# Altium PCB BACKPMAN3Rev1.0.PcbDoc (part 3 of 4)
Units mm, origin at the board's own origin, x right, y up, seen from the top; angles counter-clockwise.
Board outline 108 x 143 mm, 4 copper layers (Component Side, Layer 1, Layer 2, Bottom Layer), stack 1.637 mm thick; 343 components, 220 nets, 1089 pads, 837 vias.
Unrouted connection lines stored in the file: 98.
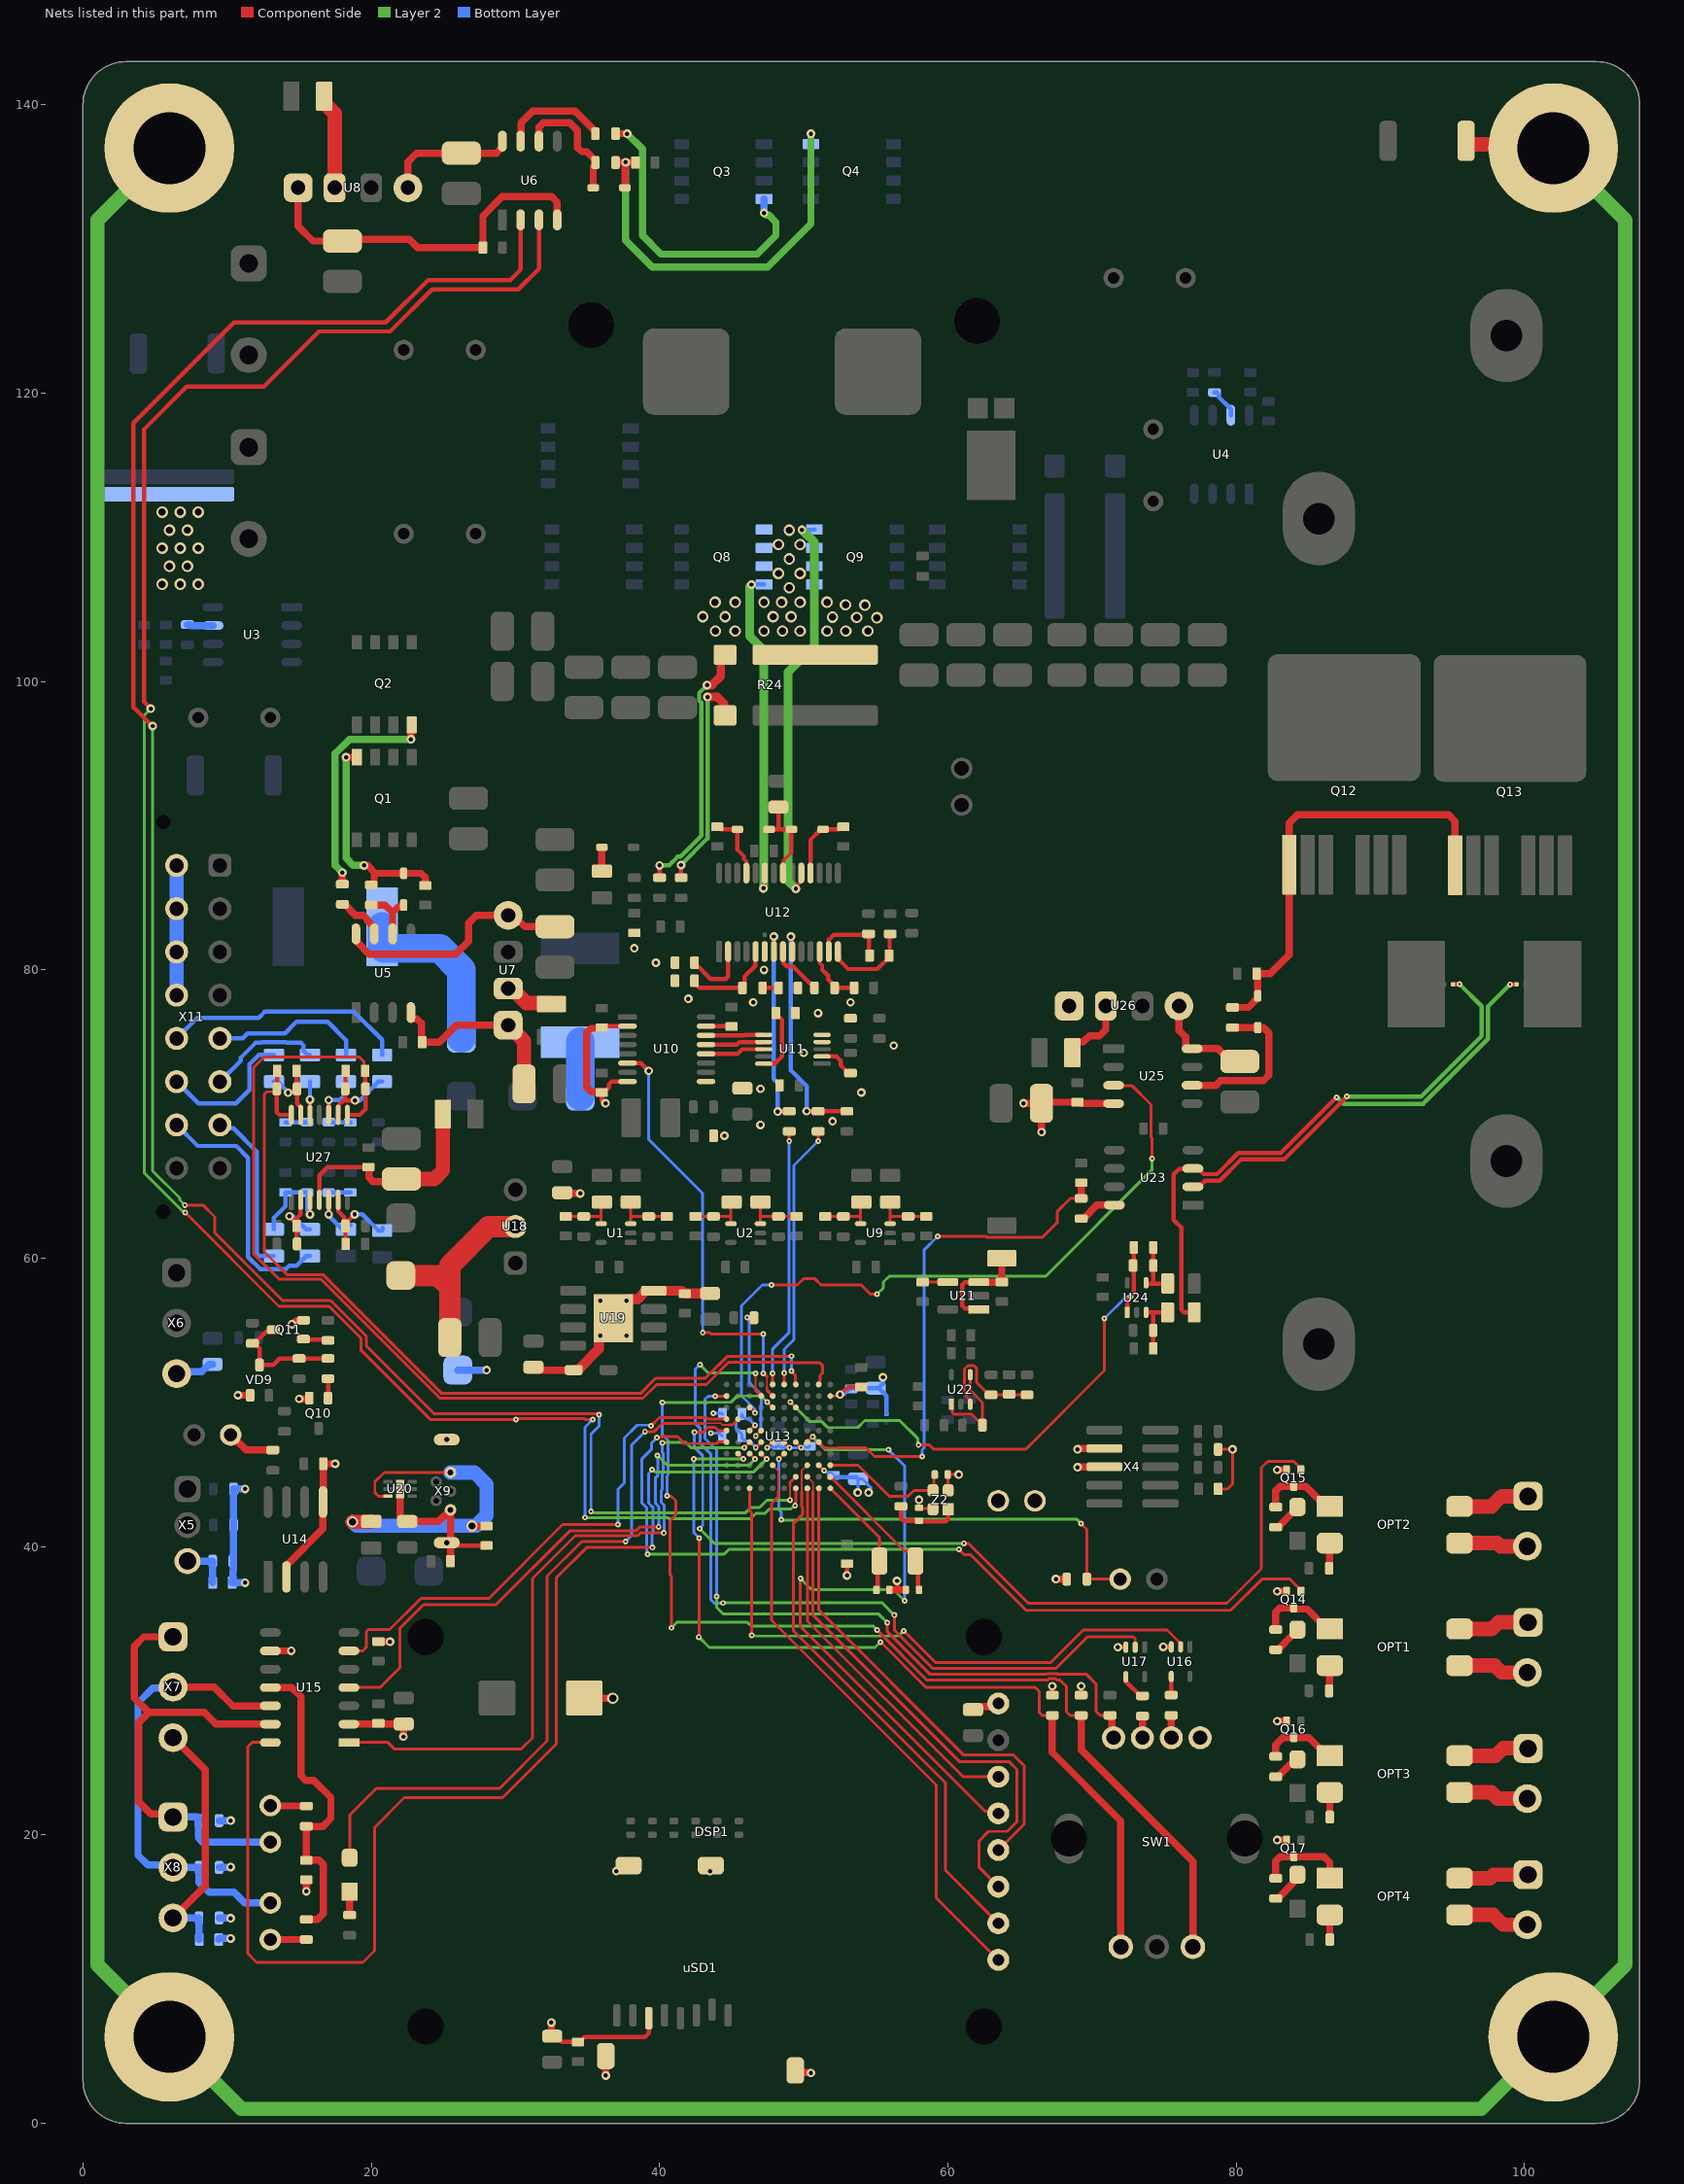
[diagram p5: the nets of this part, all layers, seen from the top]

## Via types
v1: diameter 0.8, hole 0.5, Component Side to Bottom Layer, tented both sides, 351 vias
v2: diameter 0.6, hole 0.3, Component Side to Bottom Layer, tented both sides, 188 vias
v3: diameter 0.35/0.4/0.4/0.35 (per signal layer), hole 0.15, Component Side to Bottom Layer, tented both sides, 156 vias
v4: diameter 0.61, hole 0.3, Component Side to Bottom Layer, 135 vias
v5: diameter 0.7, hole 0.3, Component Side to Bottom Layer, 4 vias
v6: diameter 0.65, hole 0.3, Component Side to Bottom Layer, tented both sides, 2 vias
v7: diameter 0.63, hole 0.3, Component Side to Bottom Layer, tented both sides, 1 vias

## Nets (pads, with @x,y where several pads share a name; then routed paths per layer and width w, separated by ;. In a path a pad name is that pad's centre, name@x,y a point inside that pad or via, vN(x,y) a via of type N, cw(c..) or ccw(c..) an arc to the next point about the centre after c; other vN are vias at no path point) (continued)
AIN2+: R78.1 X11.7 | length 11.6
  Bottom Layer w0.3: X11.7@9.5,69.25 9.733,69.017 10.434,69.017 12.06,67.391 12.06,60.346 12.256,60.15 R78.1@13.25,60.15
AIN2-: R77.1 X11.15 | length 17.8
  Bottom Layer w0.3: X11.15@6.5,69.25 7.957,67.793 10.643,67.793 11.46,66.975 11.46,60.097 12.307,59.25 14.07,59.25 14.304,59.483 14.833,59.483 15.5,60.15 R77.1@15.75,60.15
AIN3: C122.1 R88.2 U13.K2 U27.8 | length 72
  Component Side w0.2: C122.1@19.587,72.987 19.5,73.075 19.5,73.642 19.177,73.965 12.565,73.965 11.825,73.225 11.825,60.335 13.61,58.55 16.509,58.55 24.759,50.3 38.845,50.3 39.795,51.25 43.25,51.25 44.807,52.807 49.114,52.807 49.146,52.775 51.091,52.775 51.325,52.541 51.325,52.061 51.145,51.881 51.145,51.54 51.089,51.485 51.089,51.289 U13.K2@51.05,51.25
  Component Side w0.3: U27.8@18.35,69.95 19.2,69.95 19.6,70.35 R88.2@19.6,71.75 19.587,71.763 C122.1@19.587,72.987
AIN3+: R90.1 X11.5 | length 10.8
  Bottom Layer w0.3: X11.5@9.5,75.25 11.075,75.25 11.425,75.6 14.01,75.6 14.813,76.403 16.972,76.403 18.25,75.125 R90.1@18.25,74.1
AIN3-: R89.1 X11.13 | length 16.9
  Bottom Layer w0.3: X11.13@6.5,75.25 7.933,76.683 12.192,76.683 12.609,77.1 18.8,77.1 20.75,75.15 R89.1@20.75,74.1
AIN4: C124.1 R94.2 U13.K4 U27.14 | length 59.7
  Component Side w0.2: R94.2@13.3,71.55 12.751,71.55 12.575,71.374 12.575,60.449 14.149,58.875 16.644,58.875 24.894,50.625 38.687,50.625 39.737,51.675 43.175,51.675 44.713,53.213 v3(49.149,53.213) ; v3(49.161,52.194) 49.161,52.154 49.411,51.904 49.411,51.289 U13.K4@49.45,51.25
  Component Side w0.3: R94.2@13.3,71.55 R94.2@13.45,71.7 ; C124.1@13.475,73 13.463,72.988 13.463,71.763 R94.2@13.45,71.75 R94.2@13.45,71.7 ; U27.14@14.45,69.95 13.626,69.95 13.45,70.126 13.45,71.55 R94.2@13.45,71.7
  Bottom Layer w0.2: v3(49.149,53.213) 49.155,53.207 49.155,52.2 v3(49.161,52.194)
AIN4+: R98.1 X11.6 | length 8.1
  Bottom Layer w0.3: X11.6@9.5,72.25 10.96,73.71 10.96,73.927 11.973,74.94 12.369,74.94 12.43,75 14.07,75 14.131,74.94 15.118,74.94 15.294,74.764 15.294,74.4 15.594,74.1 R98.1@15.75,74.1
AIN4-: R95.1 X11.14 | length 9.8
  Bottom Layer w0.3: X11.14@6.5,72.25 8.011,70.739 10.614,70.739 11.56,71.685 11.56,73.46 12.2,74.1 R95.1@13.25,74.1
ASW_F: U6.3 U13.A4 | length 149.3
  Component Side w0.2: v3(7.097,63.17) 13.599,56.667 17.083,56.667 19.279,54.471 19.279,53.646 24.1,48.825 v3(30.05,48.825) ; v3@30.05,48.875 34.8,48.875 34.85,48.825 v3(35.375,48.825) ; v3(49.407,42.846) 49.435,42.875 49.435,43.106 49.45,43.121 U13.A4@49.45,44.05
  Component Side w0.3: v2(4.7,98.125) 4.25,98.575 4.25,117.509 7.214,120.472 12.573,120.472 16.383,124.282 21.307,124.282 24.225,127.2 30.2,127.2 31.635,128.635 U6.3@31.635,132.025
  Layer 2 w0.2: v2(4.7,98.125) 4.25,97.675 4.25,65.915 6.897,63.269 6.944,63.269 7.043,63.17 v3(7.097,63.17) ; v3(34.825,42.025) 34.842,42.008 40.583,42.008 40.636,41.954 46.323,41.954 46.685,42.316 47.32,42.316 47.625,42.621 49.128,42.621 49.353,42.846 v3(49.407,42.846)
  Bottom Layer w0.2: v3(34.825,42.025) 34.825,48.275 v3(35.375,48.825)
ASW_R: U6.2 U13.B4 | length 149.2
  Component Side w0.125: v3(49.047,43.231) 49.047,44.2 49.066,44.219 49.066,44.24
  Component Side w0.2: v3(7.073,63.694) 8.321,63.694 9.144,62.871 9.144,61.773 13.843,57.074 17.176,57.074 19.66,54.59 19.66,53.924 24.359,49.225 35.625,49.225 35.671,49.179 35.771,49.179 v3(35.8,49.15) ; 49.066,44.24 49.05,44.256 49.05,44.45 U13.B4@49.45,44.85
  Component Side w0.3: v2@4.812,96.913 3.5,98.225 3.5,117.927 10.473,124.9 21,124.9 23.95,127.85 29.65,127.85 30.365,128.565 U6.2@30.365,132.025
  Layer 2 w0.2: v2(4.835,96.915) 4.835,66.06 6.713,64.183 6.713,64.054 v3(7.073,63.694) ; v3(35.25,42.45) 35.304,42.45 35.421,42.333 45.934,42.333 46.324,42.723 46.939,42.723 47.445,43.228 49.045,43.228 v3(49.047,43.231)
  Bottom Layer w0.2: v3(35.25,42.45) 35.25,47.798 35.792,48.34 35.792,49.142 v3(35.8,49.15)
BG1: Q8.1 U12.23 | length 23.5
  Component Side w0.25: v2(47.21,85.666) 47.265,85.722 47.265,86.692 U12.23@47.298,86.725
  Layer 2 w0.6: v2(46.383,106.723) 46.25,106.59 46.25,103.175 47.219,102.206 47.219,85.676 v2(47.21,85.666)
  Bottom Layer w0.3: v2@46.39,106.73 Q8.1@47.25,106.73
BG2: Q9.1 U12.19 | length 28.5
  Component Side w0.25: v2(49.456,85.628) 49.523,85.695 49.523,85.85 49.838,86.164 U12.19@49.838,86.725
  Component Side w0.3: v2(49.456,85.628) v2@49.456,85.709
  Layer 2 w0.6: v2(49.456,85.628) 48.925,86.159 48.925,100.675 50.75,102.5 50.75,109.667 50.092,110.325 50.075,110.325 v2(49.875,110.525)
  Bottom Layer w0.3: v2(49.875,110.525) 49.882,110.532 50.742,110.532 Q9.1@50.752,110.542
CAN0_RX: U13.D8 U15.4 | length 40.6
  Component Side w0.2: U15.4@18.45,30.23 20.605,30.23 22,31.625 22,34.35 23.625,35.975 28.65,35.975 33.761,41.086 38.344,41.086 38.636,41.377 v3(39.933,41.377) ; U13.D8@46.25,46.45 v3(46.625,46.075)
  Layer 2 w0.2: v3@39.86,46.325 40.535,45.65 46.2,45.65 v3(46.625,46.075)
  Bottom Layer w0.2: v3(39.857,46.328) 39.875,46.31 39.875,45.175 39.875,44.93 39.7,44.755 39.7,43.029 39.955,42.773 39.955,41.399 v3(39.933,41.377)
CAN0_TX: U13.E8 U15.1 | length 47.5
  Component Side w0.2: U15.1@18.45,26.42 21.155,26.42 21.6,25.975 30.42,25.975 31.191,26.746 31.191,37.791 34.161,40.761 38.479,40.761 38.668,40.95 v3(40.3,40.95) ; v3(45.875,46.875) U13.E8@46.25,47.25
  Layer 2 w0.2: v3(40.2,47.2) 40.225,47.225 41.825,47.225 42.175,46.875 v3(45.875,46.875)
  Bottom Layer w0.2: v3(40.2,47.2) 40.2,46.541 40.257,46.484 40.257,45.098 40.2,45.041 40.2,43.973 40.125,43.898 40.125,43.063 40.28,42.908 40.28,42.898 40.333,42.846 40.333,41.211 40.329,41.207 40.329,40.979 v3(40.3,40.95)
CAN0H: E4.2 J3.2 U15.13 X7.1 X8.1 | length 34.4
  Component Side w0.5: X8.1@6.25,21.25 6.025,21.475 4.7,21.475 3.875,22.3 3.875,27.8 4.575,28.5 ; X7.1@6.25,33.75 4.225,33.75 3.575,33.1 3.575,29.5 4.575,28.5 ; U15.13@13,27.69 9.235,27.69 8.425,28.5 4.575,28.5
  Bottom Layer w0.5: X8.1@6.25,21.25 7.95,21.25 8.05,21.15 E4.2@8.05,21 8,20.95 8,19.793 8.293,19.5 J3.2@13,19.5
CAN0L: E5.2 J4.1 U15.12 X7.2 X8.2 | length 31.9
  Component Side w0.5: X7.2@6.25,30.25 9.1,30.25 10.39,28.96 U15.12@13,28.96
  Bottom Layer w0.5: X7.2@6.25,30.25 6.188,30.188 4.838,30.188 3.816,29.166 3.816,18.604 4.5,17.92 6.08,17.92 X8.2@6.25,17.75 E5.2@8.05,17.75 8.05,16.718 8.743,16.025 10.475,16.025 11.21,15.29 J4.1@13,15.29
CAN_EN: U13.G10 U15.6 | length 36.9
  Component Side w0.2: U15.6@18.45,32.77 19.42,32.77 19.65,33 19.65,34.1 19.8,34.25 21.28,34.25 23.43,36.4 28.15,36.4 33.279,41.529 v3(37.109,41.529) ; v3(39.421,48.387) 39.984,48.95 43.252,48.95 43.352,48.85 U13.G10@44.65,48.85
  Bottom Layer w0.2: v3(37.109,41.529) 37.109,43.967 37.567,44.425 37.567,47.542 38.453,48.428 39.274,48.428 39.286,48.416 39.392,48.416 v3(39.421,48.387)
CAN_STB: U13.D7 U15.14 | length 82.6
  Component Side w0.2: U15.14@13,26.42 11.745,26.42 11.425,26.1 11.425,11.8 12.05,11.175 19.425,11.175 20.225,11.975 20.225,20.525 22.291,22.591 29.119,22.591 32.842,26.314 32.842,37.842 34.94,39.94 39.498,39.94 v3(39.5,39.938) ; U13.D7@47.05,46.45 v3(47.425,46.075)
  Layer 2 w0.2: v3(39.475,45.347) 39.529,45.347 39.69,45.187 46.537,45.187 v3(47.425,46.075)
  Bottom Layer w0.2: v3(39.475,45.347) 39.475,45.311 39.243,45.079 39.243,43.026 39.533,42.736 39.533,40.895 39.483,40.845 39.483,39.955 v3(39.5,39.938)
CGND: B2.2 C44.2 C46.2 C48.2 C49.1 C51.1 C52.1 C53.1 C54.1 C56.1 C57.1 R30.1 R32.1 U10.9 U10.15 U11.4 U11.5 U12.6 U12.12 | length 7.2
  Component Side w0.25: U12.12@51.108,81.275 51.108,80.497 51.293,80.311 51.293,80.007 51.3,80
  Component Side w0.3: U10.15@43.225,76.1 43.235,76.09 44.985,76.09 C51.1@45,76.075 ; C57.1@45.459,71.8 C57.1@45.75,71.8 ; C48.2@48.175,71.8 C48.2@48.325,71.95 ; C52.1@49.45,79.025 49.6,78.875 C52.1@49.6,78.75 ; 51.3,80 51.7,79.6 51.7,79.35 52.15,78.9 R32.1@52.15,78.75 C46.2@53.5,78.75 C46.2@53.5,78.625 ; R30.1@53.25,76.65 R30.1@53.4,76.65
  other v2: 44.5,68.5 47,69.25 52,69.5 54,71.5 47,71.75 50,74.25 56.25,74.75 51,77 46.5,77.75 53.25,77.75 42,78 47.25,80 39.75,80.5 38.25,81.5
DCDC_MODE: R34.2 U13.K6 | length 18
  Component Side w0.2: U13.K6@47.85,51.25 v3(47.85,52.025) ; v3(49,68.125) R34.2@49,68.8
  Bottom Layer w0.2: v3(47.85,52.025) 47.85,53.717 49,54.867 v3(49,68.125)
DCDC_PGOOD: U10.6 U13.J6 | length 30.2
  Component Side w0.125: 47.45,51.044 47.45,51.8
  Component Side w0.2: v3(43.002,54.839) 43.495,54.839 43.577,54.756 47.194,54.756 v3(47.2,54.75) ; v3(47.2,52.025) 47.225,52.025 47.45,51.8 ; 47.45,51.044 47.45,50.85 U13.J6@47.85,50.45
  Component Side w0.3: U10.6@37.775,73.54 38.71,73.54 v2(39.25,73)
  Bottom Layer w0.2: v2(39.25,73) 39.25,68.243 42.982,64.511 42.982,56.254 43.002,56.233 v3@43.002,54.856 ; v3(47.2,52.025) v3(47.2,54.75)
Earth: H1.0 H2.0 H3.0 H4.0 VD16.2 | length 376.8
  Component Side w1: VD16.2@95.95,137.5 95.95,137.35 96.05,137.25 101.75,137.25 H2.0@102,137
  Layer 2 w1: H3.0@6,137 1,132 1,11 H4.0@6,6 11,1 97,1 H1.0@102,6 107,11 107,132 H2.0@102,137
EN_CHARGER: R35.2 U13.K5 | length 18.5
  Component Side w0.2: U13.K5@48.65,51.25 v3(48.65,52.042) ; v3(51,68.125) R35.2@51,68.8
  Bottom Layer w0.2: v3(48.65,52.042) 48.65,53.679 49.325,54.354 49.325,66.45 v3(51,68.125)
ENC_A: R59.1 SW1.A U13.D9 | length 62.4
  Component Side w0.2: v3(42.725,33.725) 42.738,33.738 42.738,40.588 v3(42.75,40.6) ; U13.D9@45.45,46.45 v3(45.825,46.075) ; v3(55.325,33.375) 55.35,33.375 58.474,30.251 66.049,30.251 66.35,29.95 66.35,28.5 66.55,28.3 R59.1@67.25,28.3
  Component Side w0.5: R59.1@67.25,28.3 67.25,25.725 72,20.975 SW1.A@72,12.25
  Layer 2 w0.2: v3(42.375,46.075) v3(45.825,46.075) ; v3(42.725,33.725) 43.45,33 54.95,33 v3(55.325,33.375)
  Bottom Layer w0.2: v3(42.375,46.075) 42.375,40.975 v3(42.75,40.6)
ENC_B: R60.1 SW1.B U13.H6 | length 76.2
  Component Side w0.2: v3(40.525,43.525) 40.554,43.496 40.814,43.496 41.13,43.18 41.13,42.197 40.741,41.808 40.741,38.022 40.825,37.938 v3(40.825,34.375) ; v3(47.475,50.025) U13.H6@47.85,49.65 ; v3(55.099,34.225) 55.099,34.2 58.565,30.734 66.917,30.734 67.033,30.85 67.467,30.85 67.583,30.734 67.791,30.734 68.225,30.3 68.225,28.55 68.475,28.3 R60.1@69.25,28.3
  Component Side w0.5: R60.1@69.25,28.3 69.25,25.9 77,18.15 SW1.B@77,12.25
  Layer 2 w0.2: v3(40.201,50) 43.365,50 43.378,50.013 44.958,50.013 45.395,50.45 47.05,50.45 v3(47.475,50.025) ; v3(40.825,34.375) 41.2,34.75 46.101,34.75 46.351,34.5 54.824,34.5 v3(55.099,34.225)
  Bottom Layer w0.2: v3(40.201,50) 40.201,47.765 40.6,47.366 40.6,44.981 40.525,44.906 v3(40.525,43.525)
ENC_SW: R61.1 SW1.4 U13.J10 | length 50
  Component Side w0.2: v3(43.867,50.438) 44.637,50.438 U13.J10@44.65,50.45 ; v3(55.804,34.722) 55.804,34.109 58.772,31.14 66.863,31.14 66.898,31.175 67.602,31.175 67.637,31.14 69.622,31.14 70.275,30.488 70.275,28.6 70.575,28.3 R61.1@71.25,28.3
  Component Side w0.5: R61.1@71.25,28.3 71.325,28.3 71.375,28.25 71.375,26.875 SW1.4@71.5,26.75
  Layer 2 w0.2: v3(43.967,36.551) 43.95,36.533 43.95,35.8 44.401,35.349 55.177,35.349 v3(55.804,34.722)
  Bottom Layer w0.2: v3(43.867,50.438) 43.854,50.425 43.352,50.425 43.15,50.223 43.15,47.503 43.967,46.685 v3(43.967,36.551)
EXTAL: C65.1 U13.C1 Z2.3 | length 9.3
  Component Side w0.2: U13.C1@51.85,45.65 53.775,45.65 55.925,43.5 57.25,43.5 57.65,43.9 Z2.3@58.975,43.9 59.036,43.961 59.036,44.939 C65.1@59.096,45
GND: B1.1 B3.2 C17.2 C18.2 C20.2 C21.2 C50.1 C55.1 C62.2 C63.2 C64.2 C65.2 C66.2 C67.2 C68.2 C69.2 C70.1 C71.1 C72.1 C73.1 C74.1 C75.1 C76.1 C77.1 C78.1 C82.2 C83.2 C84.2 C85.2 C86.1 C87.1 C88.1 C89.1 C90.1 C91.2 C92.2 C93.2 C94.1 C95.1 C96.2 C97.1 C98.2 C99.1 C114.2 C116.2 DSP1.1 E1.2 E2.2 E3.1 E4.1 E5.1 E6.1 pad.3@63.5,43.18 pad.3@66.04,43.18 Q10.2 Q11.2 Q14.2 Q15.2 Q16.2 Q17.2 R39.1 R52.2 R59.2 R60.2 SW1.1 U5.4 U6.4 U7.1 U8.1 U10.2 U10.8 U13.C2 U13.E4 U13.E5 U13.E6 U13.J1 U14.2 U14.5 U15.2 U15.9 U16.3 U17.3 U18.2 U19.4 U19.9 U20.7 U25.4 U26.1 uSD1.6 uSD1.9 uSD1.10 uSD1.11 uSD1.12 VD9.1 VD13.2 VD14.2 VD15.2 X4.3 X4.5 X6.3 X9.0 X9.5 X11.9 X11.10 X11.11 X11.12 Z2.2 Z2.4 | length 202.6
  Component Side w0.2: v3(47.475,46.875) U13.E6@47.85,47.25 ; U13.E5@48.65,47.25 v3(49.025,46.875) ; U13.E4@49.45,47.25 v3(49.825,46.875) ; U13.C2@51.05,45.65 v3(51.425,45.275) ; U13.J1@51.85,50.45 v2@52.375,50.45 ; v2(58,43.25) C66.2@58,42.702 58.051,42.651 58.924,42.651 Z2.4@58.975,42.6 ; Z2.2@60.025,43.9 60.012,43.913 60.012,44.987 C65.2@60,45 v2(60.75,45) ; C62.2@78.75,44 79.4,44 79.75,44.35 v2(79.75,46.75) R52.2@78.75,46.75
  Component Side w0.3: X9.0@25.499,40.275 25.269,40.275 X9.0@25.5,40.044 ; X9.0@25.499,40.506 25.268,40.275 X9.0@25.239,40.275 25.439,40.075 25.544,40.179 25.97,40.179 26.075,40.075 C93.2@28,40.075 ; C72.1@32.55,6.05 32.841,6.05 33.241,5.65 34.475,5.65 34.625,5.8 34.625,5.824 34.801,6 39,6 39.25,6.25 uSD1.6@39.25,7.3 ; C50.1@36,76 36.09,76.09 37.765,76.09 U10.2@37.775,76.1 ; v2(36.25,70.75) 36.176,70.75 36,70.926 C55.1@36,71.5 36.125,71.5 36.487,71.862 36.487,72.072 36.675,72.26 U10.8@37.775,72.26 ; uSD1.9@36.27,4.673 uSD1.9@36.27,5.039 ; v2(52.525,50.55) 52.548,50.55 53.067,51.069 53.994,51.069 C71.1@54,51.075 ; v2(53,38) C69.2@53,38.825 ; v2(56.475,37.625) 56.524,37.576 56.524,37 ; R59.2@67.25,29.7 v2(67.25,30.325) ; R60.2@69.25,29.7 v2(69.25,30.325) ; v2(71.8,33.025) U17.3@72.35,33.025 ; v2(74.95,33.05) U16.3@75.5,33.05
  Component Side w0.5: v2(10.75,50.5) VD9.1@11.6,50.5 ; U15.9@13,32.77 14.445,32.77 v2(14.45,32.775) ; U14.2@14.115,37.9 14.115,38.7 16.655,41.24 U14.5@16.655,43.1 16.665,43.11 16.665,45.74 C83.2@16.675,45.75 v2(17.5,45.75) ; v2(14.5,55.432) 14.527,55.432 14.745,55.65 15.25,55.65 Q11.2@15.3,55.7 ; U8.1@14.92,134.25 14.92,131.58 15.95,130.55 C21.2@18,130.55 18.125,130.675 22.65,130.675 23.225,130.1 27.7,130.1 C18.2@27.75,130.1 27.75,132.296 29.079,133.625 32.507,133.625 32.886,133.246 32.886,132.044 U6.4@32.905,132.025 ; v2(15,50.25) 15.65,50.25 Q10.2@15.7,50.3 ; v2(15.5,16.1) C87.1@15.5,16.9 ; U15.2@18.45,27.69 18.455,27.695 C90.1@22.245,27.695 ; C88.1@20.5,33.425 20.513,33.412 21.288,33.412 v2(21.3,33.4) ; U20.7@22,44 22,42 22.25,41.75 C91.2@22.5,41.75 24.673,41.75 25.473,42.55 X9.5@25.499,42.55 X9.0@25.499,40.506 ; v2(22.225,26.825) 22.225,27.675 C90.1@22.245,27.695 ; C90.1@22.25,27.7 C90.1@22.245,27.695 ; U5.4@22.75,77.05 22.75,76.652 22.796,76.606 23.169,76.606 23.485,76.289 23.485,75.031 C17.2@23.535,74.981 24.731,74.981 25.92,76.17 U7.1@29.5,76.17 ; C92.2@25.5,39 X9.0@25.5,40.044 ; C99.1@31.5,52.45 31.7,52.25 VD13.2@34.05,52.25 ; v2(32.5,7) 32.5,6.1 C72.1@32.55,6.05 ; C97.1@33.25,64.55 33.3,64.5 v2(34.5,64.5) ; C98.2@34.775,29.5 34.786,29.489 v1(36.754,29.489) ; C55.1@36,71.5 35.95,71.55 35.243,71.55 34.95,71.843 34.95,75.667 35.234,75.95 35.95,75.95 C50.1@36,76 ; v2(36.27,3.319) uSD1.9@36.27,4.673 ; uSD1.10@49.42,3.673 49.573,3.519 50.481,3.519 v2(50.5,3.5) ; C63.2@55.952,37 56.524,37 C64.2@57.096,37 ; C86.1@61.75,28.7 62,28.7 62.224,28.924 63.304,28.924 DSP1.1@63.5,29.12 ; v2(65.25,70.75) C116.2@66.5,70.75 ; v2(66.5,68.75) C116.2@66.5,70.75 ; v2(67.5,37.75) R39.1@68.25,37.75 ; v2(69,45.5) 69.04,45.54 X4.5@70.864,45.54 ; v2(69,46.75) 69.06,46.81 X4.3@70.864,46.81 ; U25.4@71.5,70.73 69.22,70.73 69.125,70.825 C114.2@69,70.825 66.575,70.825 C116.2@66.5,70.75 ; v2(82.85,19.65) Q17.2@83.5,19.65 ; v2(82.85,27.9) Q16.2@83.5,27.9 ; v2(82.85,36.9) Q14.2@83.5,36.9 ; v2(82.85,45.325) Q15.2@83.5,45.325
  Component Side w0.7: C99.1@31.25,52.45 C99.1@31.5,52.45 ; VD13.2@34.05,52.25 34.325,52.25 35.795,53.72 35.795,54.54 v5(35.9,54.645) ; U19.9@36.8,55.845 36.8,56.165 37.805,57.17 38.47,57.17 39.05,57.75 41.528,57.75 C95.1@41.683,57.596 ; C95.1@41.758,57.546 41.768,57.556 43.16,57.556 43.171,57.567 C94.1@43.51,57.567
  Component Side w1: VD15.2@21.7,59.15 VD15.2@22.05,58.8 ; U7.1@29.5,76.17 30.6,75.07 C20.2@30.6,72.1
  Component Side w1.5: VD15.2@22.05,58.8 24.65,58.8 25.45,58 ; C96.2@25.45,54.5 25.45,58 ; U18.2@30,62.21 29.981,62.191 28.141,62.191 25.45,59.5 25.45,58
  Bottom Layer w0.2: v3(43.55,47.873) 44.152,47.873 C68.2@44.35,47.675 ; v3(43.725,49.25) 44.325,49.25 C67.2@44.375,49.2 ; v3(47.475,46.875) 47.504,46.904 48.129,46.904 C76.1@48.25,47.025 48.371,46.904 48.996,46.904 v3(49.025,46.875) v3(49.825,46.875) 49.854,46.904 50.354,46.904 C78.1@50.425,46.975 ; v3(51.425,45.275) 51.466,45.275 51.591,45.15 51.875,45.15 C77.1@52.075,44.95 C77.1@52.2,44.825 ; C70.1@53.65,44.825 C70.1@53.775,44.7 ; v2(53.75,43.75) 53.75,44 53.775,44.025 C70.1@53.775,44.7 ; v2(54.5,43.75) 54.5,43.858 54.667,44.025 54.667,44.083 54.05,44.7 C70.1@53.775,44.7
  Bottom Layer w0.3: C77.1@52.2,44.825 C70.1@53.65,44.825 ; v2(52.525,50.55) 52.582,50.607 52.832,50.607 53.175,50.95 C75.1@53.3,50.95 53.325,50.975 54.975,50.975 C74.1@55,51 C74.1@55.206,51 ; v2(55.5,51.75) 55.5,51.294 C74.1@55.206,51 ; B3.2@55.75,49.2 55.75,50.459 55.209,51 C74.1@55.206,51
  Bottom Layer w0.5: X6.3@6.5,52 6.65,52.15 8.25,52.15 8.75,52.65 C82.2@9,52.65 ; C85.2@9.425,12.75 9.425,12.775 9.475,12.825 v2(10.25,12.825) ; E6.1@9.45,14.25 10.225,14.25 v2(10.25,14.225) ; E5.1@9.45,17.75 10.225,17.75 v2(10.25,17.775) ; E4.1@9.45,21 v2(10.25,21) ; v2(11.25,37.5) C84.2@10.35,37.5 10.35,37.625 10.4,37.675 10.4,38.338 10.45,38.388 E2.2@10.45,41.5 E1.2@10.45,44 v2(11.25,44) ; VD14.2@26,52.25 v2(28,52.25)
  Bottom Layer w1: X11.12@6.5,78.25 X11.11@6.5,81.25 X11.10@6.5,84.25 X11.9@6.5,87.25
  other v1: 5.5,106.75 6.75,106.75 8,106.75 6,108 7.25,108 5.5,109.25 6.75,109.25 8,109.25 6,110.5 7.25,110.5 5.5,111.75 6.75,111.75 8,111.75
  other v2: 37,17.5 43.5,17.5
  other v5: 37.7,54.645 35.9,57.045 37.7,57.045
INTVCC: C59.1 U12.21 VD7.1 VD8.1 | length 6.4
  Component Side w0.25: U12.21@48.568,86.725 48.6,86.758 48.6,87.589 49.15,88.139
  Component Side w0.3: VD7.1@47.6,89.75 48.375,89.75 ; C59.1@48.25,91.3 48.25,89.875 48.375,89.75 ; 49.15,88.139 VD8.1@49.15,89.75 48.375,89.75